# KiCad board AMLDC-2044B.kicad_pcb (continued)
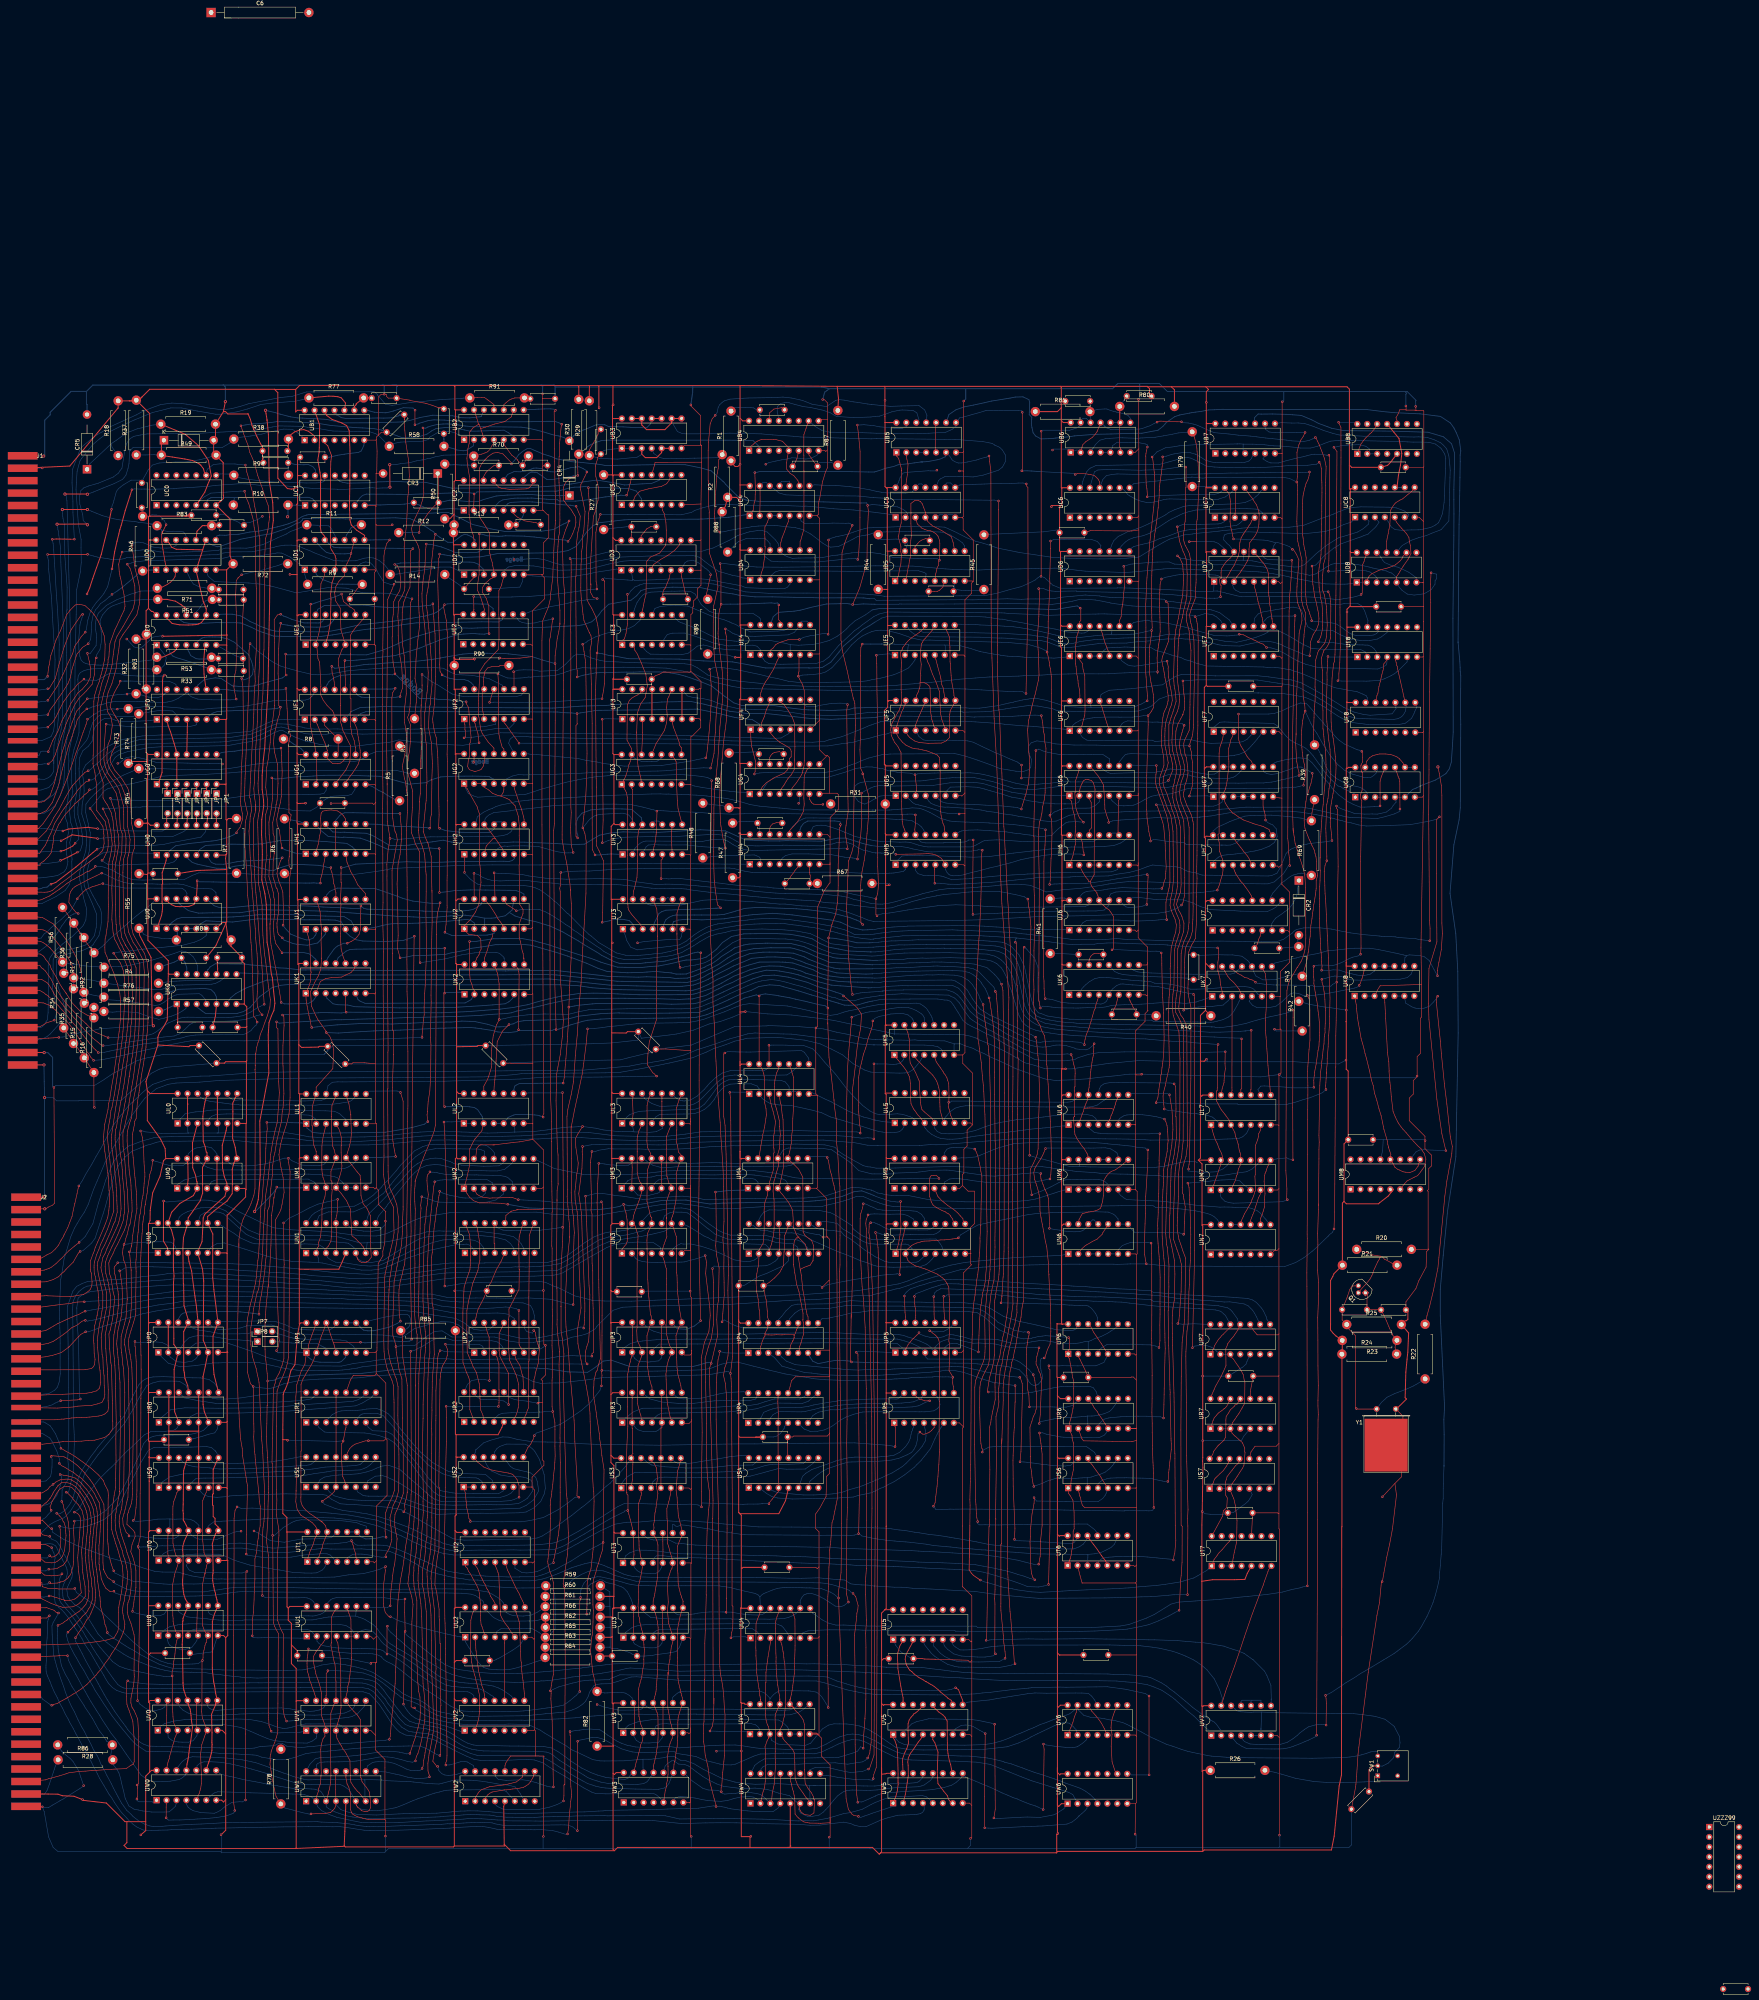
[diagram p0: board, top side]
## Routing (per net, layer and track width the routed paths; a pad name or vN(x,y) marks a point on that pad's centre or on a via; arc(x,y) is an arc through that point) (continued)
J3p5: length 185.9
  Top w0.15: v1(290.38,271.66) 289.92,272.11 289.82,276.18 289.78,276.94 289.85,278.38 289.86,281.65 289.97,283.14 290.06,283.92 290.2,285.11 290.76,287.99 291.05,289.98 291.49,294.9 291.61,296.27 291.86,299.3 291.87,303.04 291.99,303.92 291.79,305.02 291.04,307.76 290.48,309.76 290.48,310.21 289.88,311.5 289.68,316.29 289.77,319.08 289.75,320.82 289.83,340.25 289.91,342.44 v1(290.26,343.28)
  Bottom w0.15: 311.32,343.04 311.47,342.89 311.47,341.56 UE5.6 ; 311.32,343.04 314.48,342.96 315.41,342.86 317.17,342.36 317.49,342.28 318.14,342.09 319.2,341.74 320.38,341.38 320.38,341.36 321.27,341.21 321.88,341.08 323.82,340.73 324.96,340.59 325.62,340.44 326.38,340.33 327.36,340.21 328.56,340.11 329.85,340.07 330.33,340.06 331.29,339.99 332.36,339.8 333.12,339.81 334.41,339.82 335.58,339.8 336.43,339.74 338.55,339.74 339.24,339.69 342.19,339.95 UE6.1 ; 311.32,343.04 302.04,343.04 ; 302.04,343.04 302.05,343.11 301.95,343.2 301.65,343.17 300.9,343.23 298.58,343.23 298.52,343.29 295.11,343.29 ; 302.04,343.04 301.94,342.29 301.89,341.69 301.71,341.02 UE5.2
  Bottom w0.2: v1(290.26,343.28) 292.44,343.28 295.36,343.29 ; UJ3.5 239.72,272.17 ; 239.7,272.12 240.1,272.9 240.85,273.49 241.73,273.89 242.52,274.08 247.37,274.09 249.21,274.1 253.22,274.1 255.04,274.27 257.79,275.05 260.19,275.77 263.5,276.04 273.39,275.69 276.29,275.44 281.96,274.78 287.13,273.42 287.79,273.16 288.81,272.78 ; 288.76,272.81 289.6,272.45 v1(290.38,271.66)
  vias: v1(290.38,310.15)
J3p6: length 104.2
  Bottom w0.15: UJ6.1 341.64,270.44 333.82,270.31 331.53,270.41 329.84,270.73 324.6,271.03 322.45,271.15 321.52,271.24 318.79,271.35 318.28,271.36 317.91,271.39 301.89,271.27 301.09,271.15 300.71,271.16 298.4,271.04 297.89,271.01 294.59,270.67 293.44,270.38 292.57,270.38
  Bottom w0.2: 292.83,270.4 291.68,270.31 290.29,270.27 288.76,270.63 287.43,270.95 284.72,272.26 282.29,272.8 281.4,272.92 272.33,274.13 270.37,274.31 267.4,274.52 262.23,274.17 261.25,274.06 256.89,273.42 255.04,273.12 249.3,272.85 245.74,273.03 243.27,272.8 242.04,272.37 241.79,271.68 UJ3.6
J3p8: length 189.8
  Top w0.15: UL7.11 387,229.56 387.23,229.79 387.23,242.4 v1(387.18,242.46) 387.23,242.51 387.23,242.54 ; 243.63,260.62 v1(243.71,260.7) 243.51,261.45 243.15,264.2 243,265.41 242.91,269.23 242.94,269.25 242.91,269.28 242.92,274.61 243.43,276.25 243.71,277 UJ3.8
  Bottom w0.15: v1(243.71,260.7) 244.34,260.7 244.56,260.74 244.89,260.85 246.15,261.11 247.59,261.3 249.98,261.88 251.14,262.47 252.13,263.12 254.66,265.21 255.72,265.96 257.11,266.99 259.28,267.99 260.27,268.13 261.62,268.07 263.15,268.12 268.97,267.98 270.6,267.98 273.58,267.64 275.58,267.08 277.43,266.45 279.9,265.28 281.83,264.58 282.82,264.23 284.81,264.06 292.73,263.6 294.23,263.68 295.96,263.92 297.33,264.1 299.53,264.22 301.02,264.38 312.47,264.47 322.16,264.11 324.15,263.58 325.16,263.03 325.81,262.57 326.44,262 327.43,260.74 327.84,260.04 328.54,258.64 328.98,257.59 329.3,256.62 329.69,254.76 330.03,253.78 330.48,251.58 330.96,249.99 331.7,248.45 332.63,247.51 333.95,246.6 334.75,246.13 335.39,245.84 336.38,245.53 337.69,245.28 339.32,244.99 343.11,244.64 343.96,244.55 350.27,244.18 351.76,244.07 359.38,243.83 375.61,243.08 380.2,242.93 ; 380.2,242.93 380.23,242.93 ; 380.2,242.93 384.01,242.71 385.45,242.68 386.98,242.65 v1(387.18,242.46)
J3p12: length 273.1
  Top w0.15: v1(372.2,333.87) 372.24,332.74 372.33,331.65 372.45,330.6 372.58,329.46 372.56,328.73 372.63,327.09 372.55,326.49 372.14,325.24 372.23,325.33 371.64,324.23 370.93,322.91 370.41,321.08 370.28,318.17 370.67,315.65 371.02,314.22 371.24,313.3 371.55,312 371.61,311.27 371.48,309.69 ; 371.48,309.94 371.1,308.61 370.49,306.7 370.41,305.32 370.49,303.73 370.79,302.9 371.25,301.22 371.53,300.56 371.68,300.21 371.94,299.51 372.14,298.96 372.41,298.04 372.58,293.78 372.62,290.91 372.67,283.62 372.65,279.07 372.52,278.65 372.23,277.33 371.89,276.64 v1(371.84,276.64) ; UF8.9 428.66,329.78 428.27,331.63 427.82,333.62 427.19,336.32 427.05,337.01 427.02,337.45 426.85,337.81 426.69,338.56 426.56,339.09 426.51,339.55 UE8.5
  Bottom w0.15: 293.08,272.46 312.05,272.67 313.33,272.67 320.13,272.86 321.02,272.93 322.58,272.98 327.99,273.27 330.36,273.4 336.23,273.75 338.62,273.76 346.4,273.9 356.99,274.23 365.58,274.5 368.46,274.99 369.28,275.29 369.8,275.42 370.16,275.57 371.09,276.05 v1(371.84,276.64) ; 293.08,272.46 293.33,272.4 ; 293.08,272.46 291.56,272.85 290.24,273.43 286.44,274.83 285.36,275.12 284.43,275.42 281.78,275.84 279.57,276.12 276.21,276.37 274.68,276.42 270.56,276.89 269.11,276.88 262.09,277.51 260.47,277.58 255.25,277.9 253.08,278.04 252.01,277.99 249.54,277.86 244.11,276.67 240.91,276.52 239.94,276.47 238.32,276.48 237.1,276.52 236.14,276.62 235.55,276.75 UJ3.12 ; UF8.9 429.23,327.27 429.06,326.36 429.02,326.09 428.59,325.3 428.09,324.75 427.19,324.24 426.07,324.04 418.06,324.24 416.44,324.37 414.59,324.8 412.57,326 410.13,327.46 407.91,328.91 407.17,329.28 406.52,329.7 405.61,330.16 403.71,331.16 402.23,332.02 401.21,332.45 400.26,332.66 399.17,332.94 397.6,333.1 396.34,333.33 394.35,333.62 391.18,334.12 388.84,334.16 375.63,334.15 372.31,333.87 v1(372.2,333.87)
J6p8: length 41
  Bottom w0.15: UJ6.8 358.74,277.85 359.13,278.46 360.9,278.58 365.47,278.01 372.33,277.96 374.37,277.3 376.66,276.25 378,275.83 379.12,275.47 385.41,275.18 386.89,275.08 393.78,274.99 395.33,275.71 396.1,276.22 396.68,276.85 397.02,277.23 UJ7.9
J6p13: length 63.2
  Top w0.15: v1(366.8,280.87) 367.12,281.41 367.34,282.41 367.7,283.4 367.8,284.7 367.84,285.25 367.93,286.49 367.7,290.45 367.67,292.44 367.3,296.59 367.05,297.73 366.75,298.64 366.4,299.73 366.11,300.55 365.75,301.64 v1(365.41,302.24)
  Bottom w0.15: UJ6.13 345.72,278.59 346.25,279.24 346.67,279.67 347.12,279.92 347.71,280.14 349.97,280.33 350.49,280.3 351.84,280.5 352.98,280.71 354.98,280.94 355.86,281 356.69,281.09 361.36,280.9 362.91,280.84 364.63,280.75 365.26,280.77 366.1,280.78 v1(366.8,280.87) ; 375.88,301.92 375.18,301.93 369.5,301.98 365.78,302.24 v1(365.41,302.24) ; 375.88,301.92 376.29,301.91 ; 375.88,301.92 378.01,301.92 378.76,301.88 380.07,301.9 381.2,302.28 382.18,302.95 UG7.2
J7p6: length 5.1
  Top w0.15: UJ7.6 392.05,269.72 391.94,268.7 391.52,267.87 391.46,267.49 391.21,266.67 C47.2
J7p7: length 15.5
  Bottom w0.15: CR2.1 401.5,280.76 401.5,280.27 401.4,279.67 401.09,278.47 400.1,276.71 399.3,275.76 398.7,275.24 398.22,274.95 397.65,274.49 396.86,273.97 395.92,273.29 395.27,272.48 394.92,271.89 394.88,271.39 394.68,270.9 UJ7.7
J7p10: length 14.4
  Bottom w0.15: 397.47,282.33 396.85,281.59 396.25,280.94 395.69,280.25 395.24,279.78 394.55,278.59 UJ7.10 ; R69.1 402.51,284.79 401.55,284.61 400.4,284.31 399.66,283.94 398.14,282.77 397.17,282.13
K0p1: length 11
  Top w0.25: UK0.1 115.39,250.28 C57.1
  Bottom w0.2: R57.2 111.92,249.85 UK0.1
K0p3: length 376.1
  Top w0.15: v1(319.75,119.17) 319.53,120.17 319.42,121.23 319.32,123.56 319.2,124.72 318.99,138.83 319.02,153.46 319.21,155.16 319.92,157.04 320.75,158.9 321.22,160.02 321.57,161.35 321.61,162.31 321.67,163.86 321.56,170.66 321.63,171.84 322.1,177.43 322.28,178.33 322.52,180.3 322.73,181.31 322.73,181.84 322.94,183.53 322.91,184.48 323.07,186.22 323.05,224.84 323.05,226.19 322.73,237.44 322.62,238.62 322.53,239.78 322.47,240.68 322.32,241.12 322.16,242.51 322.04,243.59 322.04,244 321.82,245.8 321.63,247 321.5,247.81 321.26,249.91 321.16,250.66 v1(321.14,251.26)
  Bottom w0.15: v1(321.14,251.26) 320.94,251.56 320.34,252.72 320.07,253.55 319.57,254.48 319.07,255.28 318.4,256.34 317.37,257.41 315.59,258.41 313.85,258.73 311.1,258.81 309.72,258.84 308.24,258.77 306.73,258.81 305.67,258.73 303.71,258.73 302.49,258.65 299.47,258.41 296.63,258.2 296.07,258.14 295.14,258.03 293.43,257.97 292.8,258.02 ; UT6.11 350.13,116.49 349.62,117.14 347.76,118.55 345.6,118.55 344.11,118.51 341.22,118.45 338.9,118.42 337.61,118.42 333.53,118.45 332.43,118.41 326.25,118.35 325.15,118.31 322.96,118.33 321.65,118.36 320.22,118.33 319.75,118.65 v1(319.75,119.17)
  Bottom w0.2: 270.67,262.09 270.64,262.06 ; UK0.3 120.41,250.46 121.51,249.63 122.41,248.98 123.75,248.9 124.63,248.87 126.23,248.95 127.56,248.94 130.53,248.96 132.16,249.44 133.84,250.48 136.27,253.22 137.42,254.04 138.14,254.57 139.5,255.56 141.61,256.13 143.75,256.35 153.16,256.38 163.67,256.37 181.52,256.27 212.87,256.28 216.67,256.09 217.46,256.07 220.21,255.67 221.2,255.51 225.88,255.18 227.47,255.04 245.18,254.73 247.02,254.88 248.36,255.24 250.97,256.36 253.23,257.65 255.58,258.67 259.06,260.6 261.22,261.3 263.94,262.06 269.08,262.09 ; 292.8,258.02 288.78,258.09 285.48,258.07 281.96,258.52 279.55,259.11 277.71,260.1 272.53,261.84 269.9,262.06 269.2,262.06
K0p5: length 24.1
  Top w0.25: UK0.5 124.98,248.19 C64.1
  Bottom w0.2: R76.2 112.62,254.17 114,254.63 115.59,255.11 122.29,255.32 123.82,255.08 124.74,254.18 125.28,253.1 UK0.5
K0p6: length 351
  Top w0.15: v1(320.94,136.91) 320.94,137.71 320.82,137.91 320.58,139.14 320.47,140.68 320.24,148.22 320.31,153.5 320.53,154.83 321.06,156.24 321.68,157.56 322.52,159.17 322.79,160.89 322.66,171.23 322.79,174.03 323.17,177.37 323.34,178.17 323.78,180.29 323.94,180.92 324.04,185.23 324.13,186.23 324.19,189.3 324.16,190.93 324.26,197.94 324.25,197.95 324.25,208.42 324.26,208.44 324.26,215.61 324.22,216.36 324.06,228.27 324.03,232.49 324.03,233.99 324.1,238.33 324.13,239.53 323.89,244.41 323.79,245.51 323.39,248.74 323.14,250.23 322.92,251.77 322.86,252.08 v1(322.67,252.92)
  Bottom w0.15: v1(320.94,136.91) 321.19,137.44 322.63,138.2 324.06,138.33 324.37,138.34 325.45,138.36 326.71,138.34 327.43,138.34 328.18,138.36 347.58,138.31 349.57,136.89 US6.11 ; v1(322.67,252.92) 322.26,254.05 321.91,254.8 321.68,255.32 320.84,256.49 320.67,256.84 319.84,257.8 318.75,258.75 317.65,259.37 316.03,259.78 313.35,259.92 313.28,259.85 313.2,259.92 304.7,259.78 304.05,259.75 301.37,259.68 300.67,259.66 299.73,259.63 297.23,259.46 296.51,259.42 295.19,259.24 293.95,259.17 292.82,259.07
  Bottom w0.2: UK0.6 128.89,252.94 130.23,254.06 132.78,255.43 135.49,256.48 138.12,257.48 142.22,257.55 145.78,257.55 177.09,257.55 210.47,257.75 225.6,256.19 232.65,255.98 239.81,255.83 242.02,255.82 244.26,255.89 247.18,256.22 249.53,257.05 250.92,257.68 253.1,258.92 256.19,260.46 257.32,261.04 262.01,263.03 265.9,263.36 267.97,263.38 271.93,263.17 274.62,262.29 275.81,261.78 277.56,261.18 278.77,260.71 281.22,259.99 283.74,259.31 286.35,259.17 291.21,259 292.99,259.07
K0p8: length 332.3
  Top w0.15: v1(324.26,254.58) 324.49,254.17 324.51,253.81 324.61,252.74 324.88,249.42 325.21,241.98 325.35,241.31 325.41,206.87 325.28,183.86 325.2,182.3 325.04,180.97 324.66,179 324.38,177.38 324.28,176.55 324.02,175.16 324.02,161.72 ; 324.05,161.7 324.02,161.72 ; 324.02,161.72 323.88,160.28 323.58,158.77 323.18,157.38 322.79,155.95 322.68,155.33 322.26,152.6 v1(322.47,152.26)
  Bottom w0.15: 292.94,260.35 292.99,260.4 297.62,260.52 299.02,260.62 299.56,260.61 301.5,260.69 302.64,260.7 304.78,260.84 308.41,261.04 309.39,261.07 311.34,260.95 311.95,261 315.29,260.79 316.42,260.72 317.3,260.63 318.65,260.35 319.95,259.72 322.54,257.02 322.82,256.75 323.15,256.42 323.73,255.82 324.05,255.41 v1(324.26,254.58) ; UR6.11 350.07,152.3 349.29,153.35 348.6,153.61 345.99,153.72 344.02,153.69 342.75,153.7 341.11,153.66 339.01,153.31 336.51,152.79 333.66,152.2 333.63,152.23 331.56,151.89 330.02,151.82 328.08,151.9 326.53,152.1 323.62,152.28 v1(322.47,152.26)
  Bottom w0.2: 292.94,260.35 284.53,260.32 283,260.54 281.22,261.02 279.18,261.78 276.62,262.77 275.54,263.36 272.67,264.34 268.69,264.59 266.49,264.61 264.89,264.59 261.49,264.23 258.78,263.2 257.34,262.55 255.04,261.22 252.75,259.92 251.93,259.43 251.15,259.11 249.48,258.13 247.65,257.35 245.52,256.88 227.6,257.17 220.63,257.94 218.28,258.14 212.23,258.77 209.56,258.92 208.59,258.93 198.47,258.82 158.46,258.76 156.31,258.82 140.9,258.99 137.14,259.05 130.69,259.3 UK0.8
K0p10: length 20.1
  Top w0.25: UK0.10 125.55,259.25 125.55,260.37 125.48,261.55 C72.1
  Bottom w0.15: UK0.10 125.07,258.2 124.53,257.56 123.8,257.47 123.35,257.43 117.31,257.32 115.79,257.25 114.98,257.2 113.52,257.12 R4.2
K0p11: length 319.1
  Top w0.15: v1(325.86,256.44) 326.02,255.66 326.22,254.85 326.35,245.38 326.58,239.27 326.58,228.62 326.59,228.61 326.51,189.83 326.49,188.18 326.31,182.41 326.27,181.65 326.23,181.39 326.07,178.77 326,177.53 325.94,176.64 325.96,176.74 325.88,176.04 v1(325.73,175.05)
  Bottom w0.15: 292.82,261.38 294.77,261.46 297.05,261.59 298.35,261.69 300.4,261.72 302.36,261.87 304.2,261.89 304.99,261.89 306.91,261.99 308.3,262.09 308.8,262.09 310.11,262.07 310.44,262.08 312.77,261.98 314.29,261.97 315.54,261.81 316.45,261.75 317.62,261.69 318.89,261.56 322.11,260.66 324.02,258.96 324.13,258.82 324.35,258.62 324.97,257.86 325.22,257.53 325.56,256.96 325.67,256.7 v1(325.86,256.44) ; UP6.11 350.35,171.21 350.18,171.75 349.82,172.39 349.08,173.36 348.84,173.64 347.99,174.24 347.43,174.38 346.57,174.42 345.94,174.39 345.66,174.38 344.42,174.42 343.83,174.46 343.17,174.46 341.84,174.56 341.61,174.55 340.75,174.62 340.07,174.64 339.6,174.7 331.89,174.89 v1(325.73,175.05)
  Bottom w0.2: UK0.11 122.94,260.09 123.2,260.22 123.63,260.82 124.98,261.65 132.61,261.55 133.87,261.36 137.19,261.09 138.82,260.89 141.19,260.59 143.04,260.51 146.74,260.07 148.06,260.07 149.33,260.08 153.97,260.06 161.08,259.93 163.35,259.93 168.2,259.9 168.99,259.87 169.47,259.9 181.97,259.92 182.02,259.96 189.07,259.96 189.75,259.94 199.1,259.84 199.13,259.81 199.79,259.85 210.85,259.92 211.31,259.95 213.11,259.8 216.63,259.4 223.53,258.65 225.35,258.39 233.04,258.21 235.2,258.31 241.08,258.11 242.42,257.9 245.55,257.97 247.5,258.57 250.09,259.68 253.51,261.45 255.82,263.08 257.94,264.29 259.49,264.87 262.54,265.5 266.96,265.73 266.98,265.72 271.87,265.72 272.81,265.53 275.01,264.89 276.01,264.55 278.56,263.39 281.9,262.01 288.21,261.67 292.93,261.37
K0p13: length 10.9
  Bottom w0.2: R75.2 114.42,262.04 115.23,262.45 C71.1 116.41,263.15 117.24,261.93 117.68,260.58 UK0.13
K1p3: length 51
  Bottom w0.2: UK2.6 200.95,252.85 200.37,252.26 199.93,251.91 199,251.42 197.73,251.31 195.88,251.14 193.21,250.94 187.14,250.57 185.85,250.47 185.46,250.45 177.56,250.39 172,250.37 160.62,250.68 158.77,251.1 156.23,251.18 155.02,251.42 153.48,252.83 UK1.3
K1p5: length 367.4
  Top w0.15: UK1.5 158.25,249.47 158.42,249.31 v1(158.42,249.27) 158.45,249.27 158.49,249.23 ; v1(333.57,202.62) 333.21,205.08 333.11,205.92 333.2,209.17 333.97,210.6 334.48,211.71 334.94,212.85 335.21,214.42 335.21,215.35 335.34,222.1 335.35,222.6 335.57,228.62 335.34,235.72 335.34,236.21 335.15,238.23 335.13,238.25 334.91,240.78 334.72,242.12 v1(334.56,242.89) ; v1(142.14,248.54) 142.47,248.08 142.54,245.95 142.24,240.7 142.21,236.15 142.27,235.52 142.49,228.47 142.33,226.09 142.28,224.91 142.06,223.86 141.91,221.63 140.69,216.5 140.18,213.39 139.92,212.39 139.64,210.19 139.52,207.55 139.15,204.21 138.72,199.54 138.27,198.51 138.13,190.71 138.12,188.71 138.01,187.22 137.74,185.3 137.65,183.75 137.27,180.73 136.72,177.04 136.42,175.77 136.26,174.22 136.1,172.83 136.12,172.53 v1(136.12,172.12)
  Bottom w0.15: v1(334.56,242.89) 334.55,242.89 333.49,243.54 332.34,244.08 331.7,244.33 329.6,245.4 326.93,246.59 324.71,247.7 322.85,248.52 320.47,250.02 320.14,250.38 319.69,250.94 318.5,252.6 318.32,252.88 317.79,253.76 317.14,254.88 315.93,256.07 314.03,257.24 313.14,257.49 306.79,257.44 305.27,257.44 301.18,257.38 298.62,257.21 296.07,257.14 295.2,256.95 294.92,256.9 292.87,256.95 ; UM6.5 353.14,205.18 352.9,205.42 352.24,206.02 351.39,206.41 350.73,206.51 346.21,206.57 345.14,206.55 343.42,206.57 342.08,206.43 340.53,205.77 338.5,204.68 337.02,203.99 334.59,202.99 v1(333.57,202.62)
  Bottom w0.2: v1(136.12,172.12) 134.78,172.35 131.33,172.73 130.14,172.8 126.56,172.79 123.53,172.79 123.41,172.76 123.1,172.82 117.89,172.71 116.61,172.35 116.07,171.87 115.56,170.97 UP0.12 ; v1(142.14,248.54) 142.35,248.54 142.89,248.69 144.36,248.72 144.77,248.69 146.07,248.72 148.35,248.89 149.28,248.96 151.35,249.13 152.36,249.19 157.2,249.07 v1(158.42,249.27) 182.7,249.12 189.63,249.43 193.78,249.75 197.73,250.05 201.24,250.49 202.3,250.74 204.82,251.18 206.84,251.8 209.03,252.39 210.2,252.67 212.26,253.13 213.31,253.39 216.6,253.85 217.85,254.04 221.55,254.13 224.55,254.09 227.83,253.94 229.36,253.86 231.23,253.83 233.24,253.73 238.39,253.72 246.37,253.76 247.26,253.91 247.8,254.04 251.52,255.3 253.03,256.08 253.68,256.35 254.37,256.71 255.63,257.45 257.43,258.45 259.57,259.28 261.59,260.09 264.48,260.85 265.11,260.94 266.5,261.08 269.36,261.01 272.89,260.3 274.9,259.69 275.72,259.26 279.41,258.23 280.73,257.79 281.38,257.61 284.16,257.13 286.72,257 289.04,256.95 292.87,256.95 292.88,256.96
K1p10: length 70.7
  Top w0.15: 157.08,284.76 157.08,284.87 ; 157.08,284.76 v1(157.12,286.23) 157.08,286.21 ; 157.08,284.76 157.08,283.11 157.08,282.38 157.17,282.36 156.95,278.22 157.06,276.66 157,275.61 157.04,271.1 157,269.45 156.88,268.55 157.02,267.15 157.11,265.45 157.55,263.69 UK1.10
  Bottom w0.2: UH2.6 201.42,288.52 200.8,287.99 200,287.77 198.54,287.82 186.83,287.72 185.96,287.7 181.36,287.53 173.78,287.69 171.95,287.6 160.79,287.08 158.93,286.55 157.41,286.11 v1(157.12,286.23)
K1p11: length 247.6
  Top w0.15: UN5.1 299.1,188.71 299.31,189.39 299.56,190.21 299.66,190.94 299.85,191.94 300.15,194.47 300.01,198.49 v1(300.05,200.92) 300.05,201.01 300.11,200.95 ; v1(183.59,265.62) 183.59,254.18 v1(183.55,254.14) 183.36,253.95 183.36,225.33 v1(183.55,225.14) ; 199.83,200.24 v1(199.7,200.21) 198.07,200.47 195,200.56 192.42,200.56 190.94,201.12 189.89,202.05 189.29,202.95 UM2.1 189.22,206.96 189.58,208.6 189.91,210.1 189.91,211.63 189.96,211.68 189.96,214.39 190.04,214.47 190.95,216.33 191.31,216.89 193.07,218.98 193.37,220.67 UL2.3 ; 229.38,200.09 v1(229.27,200.2) 229.61,198.89 229.89,198.01 230.01,197.16 230.18,196.22 230.23,191.41 230.21,190.75 229.98,190.07 228.86,188.73 UN3.1
  Bottom w0.15: 293.31,202.43 293.78,202.21 294.57,201.9 295.27,201.7 295.89,201.51 297.37,201 298.39,200.93 298.7,200.84 299.32,200.79 299.67,200.8 v1(300.05,200.92)
  Bottom w0.2: 293.31,202.43 292.46,202.78 290.14,203.64 288.15,203.42 285.18,202.25 282.17,201.58 280.71,201.35 278.33,201.1 276.01,200.93 273.08,200.85 254.69,200.51 251.34,200.29 247.32,200.9 245.25,201.29 239.1,201.2 234.91,200.41 232.17,200 230.65,199.83 v1(229.27,200.2) 228.43,199.74 228.07,199.64 226.85,199.37 223.55,198.93 222.03,198.84 220.05,198.77 214.38,198.93 212.86,199.01 204.89,199.27 201.35,199.9 v1(199.7,200.21) ; UK2.1 187.53,254.38 183.68,254.27 v1(183.55,254.14) ; v1(183.55,225.14) 188.02,225.14 188.88,225.22 189.93,225.1 191.15,224.92 192,224.37 192.81,223.15 192.82,223.15 193.16,222.63 UL2.3 ; UK1.11 156.37,263.2 158.39,264.86 159.37,265.28 160.96,265.37 181.23,265.59 182.87,265.57 183.59,265.64 v1(183.59,265.62)
K5p1: length 58.9
  Top w0.15: UL5.4 305.35,221.94 305.05,222.41 304.4,223.1 304.15,223.49 303.71,224.11 303.38,224.55 302.72,225.88 302.61,227.51 302.61,227.82 302.54,231.16 302.45,231.99 302.32,232.74 302.06,233.3 301.87,233.69 301.67,234.12 300.82,235.33 300.18,236.06 299.94,236.41 299.44,237 299.05,237.49 298.83,238 UK5.1
  Bottom w0.15: UL6.1 341.91,220.21 341.34,220.21 340.77,220.14 340.14,220.06 339.54,219.99 339.07,219.94 337,219.73 336.39,219.69 335.74,219.58 335.28,219.59 332.77,219.34 332.06,219.21 331.49,219.15 330.4,218.99 330.18,218.98 328.12,218.73 326.92,218.56 324.06,218.32 322.89,218.1 320.92,217.84 320.34,217.75 319.18,217.62 317.99,217.42 315.87,217.11 315.01,216.95 313.35,216.83 312.62,216.84 312.03,216.84 310.22,217.06 309.14,217.45 307.93,218.12 307.34,218.6 306.97,218.91 306.38,219.63 306.22,219.89 UL5.4
K5p3: length 65.2
  Top w0.15: UK5.3 303.87,237.59 304.33,237.03 304.88,236.5 305.97,235.36 306.36,235.01 307.2,234.25 307.59,233.86 308.28,233.18 308.99,232.16 309.3,231.6 309.55,230.93 309.79,230.09 309.99,229.09 310.08,226.94 310.08,226.16 310.13,225.1 310.15,224.27 310.55,222.85 310.77,222.01 UL5.6
  Bottom w0.15: UL5.6 311.3,222.18 311.65,222.59 311.97,222.96 312.41,223.52 312.81,223.94 313.98,224.76 315.44,225.19 316.72,225.37 333.74,225.17 334.98,225.09 335.49,225.09 337.4,225.07 347.86,225.03 349.13,225.17 350.35,225.57 351.91,226.69 352.08,226.77 352.36,227.05 352.69,227.36 UL6.10
K5p5: length 52.9
  Top w0.15: UK5.5 308.93,237.27 309.17,236.59 309.4,236.26 309.73,235.8 310.2,235.14 310.92,234.07 311.13,233.68 311.49,233.22 311.91,232.47 312.06,231.93 312.36,231.08 312.44,227.92 312.38,226.28 312.36,226.3 v1(312.36,226.25) 312.41,226.25 312.45,226.21 312.27,225.66 312.24,225.09 312.48,224.44 312.85,222.94 313.34,221.94 UL5.7
  Bottom w0.15: v1(312.36,226.25) 312.75,226.25 313.06,226.57 318.23,226.57 318.27,226.53 325.08,226.4 326.26,226.38 341.53,226.28 342.63,226.28 343.52,226.37 344.03,226.57 344.31,226.71 344.64,226.96 344.99,227.34 UL6.13
K5p13: length 72.8
  Top w0.15: UK5.13 301.48,245.12 301.92,244.01 302.26,242.44 302.32,241.76 302.27,238.77 302.52,236.28 303.35,234.86 303.9,233.8 304.82,231.69 305.14,226.13 305.35,225.02 305.53,224.37 306.14,223.79 307.2,222.9 307.84,222.37 308.25,221.86 UL5.5
  Bottom w0.15: UL6.4 349.92,222.16 349.02,222.84 347.66,223.14 346.15,223.25 342.72,223.12 340.14,222.96 337.91,222.7 336.63,222.5 332.68,222.07 330.74,221.89 329.74,221.81 329.65,221.81 327.13,221.38 325.66,221.14 323.51,220.64 321.47,219.94 319.12,219.04 316.03,218.33 312.45,218.22 311.46,218.23 310.4,218.33 309.41,218.82 308.73,219.69 UL5.5